# KiCad board issue21482.kicad_pcb (continued)
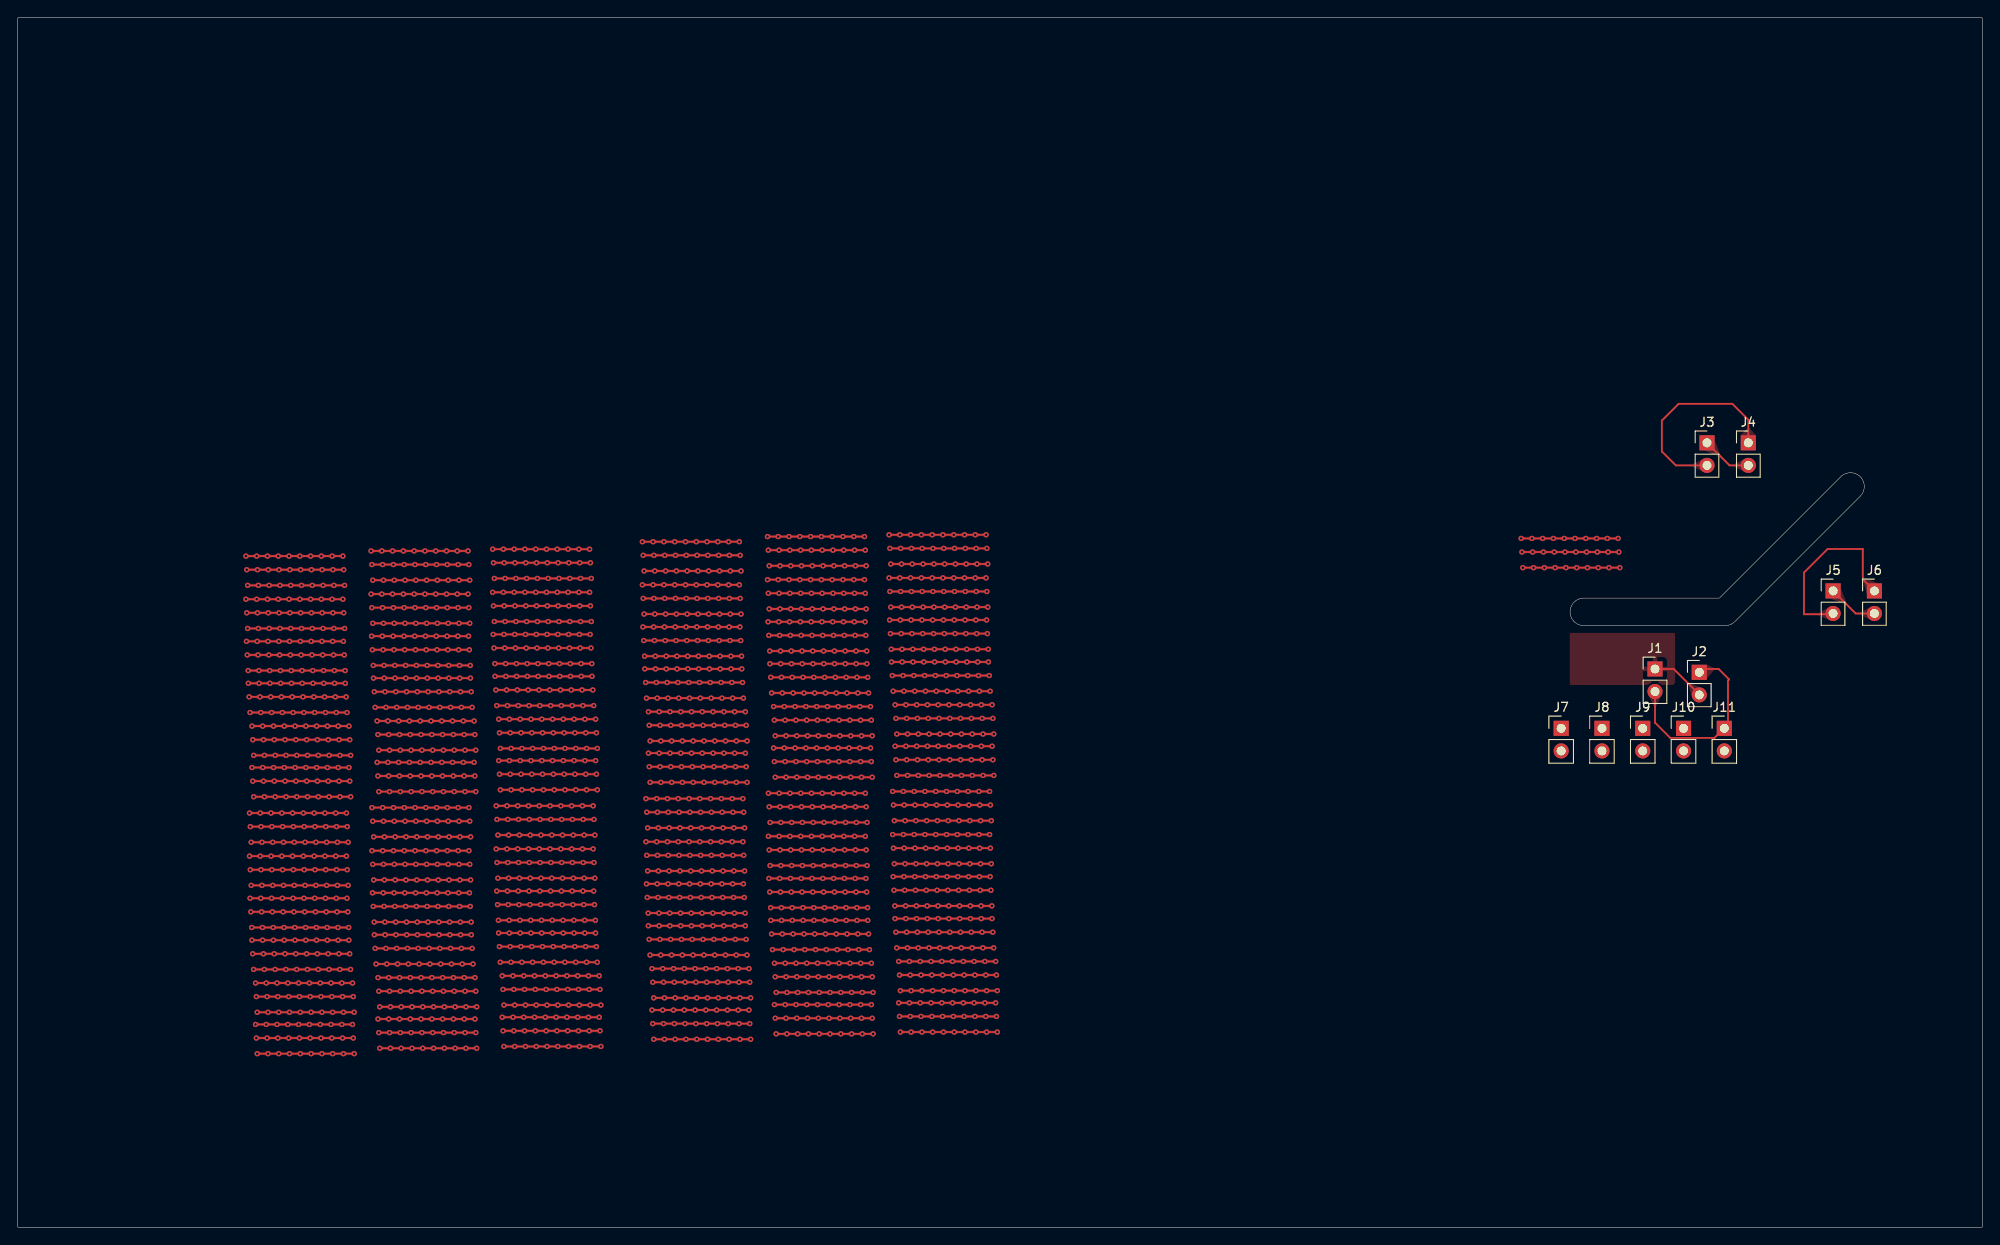
[diagram p0: board, top side]
## Routing (per net, layer and track width the routed paths; a pad name or vN(x,y) marks a point on that pad's centre or on a via; arc(x,y) is an arc through that point) (continued)
v1(101.64,23.72) v1(100.42,23.72) v1(99.21,23.72) ; v1(84.55,69.58) v1(85.76,69.58) v1(86.98,69.58) v1(88.19,69.58) v1(89.4,69.58) v1(90.62,69.58) v1(91.83,69.58) v1(93.04,69.58) v1(94.26,69.58) v1(95.47,69.58) ; v1(70.93,35.35) v1(72.14,35.35) v1(73.36,35.35) v1(74.57,35.35) v1(75.78,35.35) v1(77,35.35) v1(78.21,35.35) v1(79.42,35.35) v1(80.64,35.35) v1(81.85,35.35) ; v1(51.54,49.02) v1(50.33,49.02) v1(49.11,49.02) v1(47.9,49.02) v1(46.69,49.02) v1(45.47,49.02) v1(44.26,49.02) v1(43.05,49.02) v1(41.83,49.02) v1(40.62,49.02) ; v1(98.63,45.75) v1(99.84,45.75) v1(101.06,45.75) v1(102.27,45.75) v1(103.48,45.75) v1(104.7,45.75) v1(105.91,45.75) v1(107.12,45.75) v1(108.34,45.75) v1(109.55,45.75) ; v1(36.59,75.52) v1(35.38,75.52) v1(34.16,75.52) v1(32.95,75.52) v1(31.74,75.52) v1(30.52,75.52) v1(29.31,75.52) v1(28.1,75.52) v1(26.88,75.52) v1(25.67,75.52) ; v1(110.13,28.38) v1(108.92,28.38) v1(107.7,28.38) v1(106.49,28.38) v1(105.28,28.38) v1(104.06,28.38) v1(102.85,28.38) v1(101.64,28.38) v1(100.42,28.38) v1(99.21,28.38) ; v1(53.62,68.16) v1(54.83,68.16) v1(56.05,68.16) v1(57.26,68.16) v1(58.47,68.16) v1(59.69,68.16) v1(60.9,68.16) v1(62.11,68.16) v1(63.33,68.16) v1(64.54,68.16) ; v1(84.92,31.24) v1(86.13,31.24) v1(87.35,31.24) v1(88.56,31.24) v1(89.77,31.24) v1(90.99,31.24) v1(92.2,31.24) v1(93.41,31.24) v1(94.63,31.24) v1(95.84,31.24) ; v1(95.28,72.87) v1(94.07,72.87) v1(92.85,72.87) v1(91.64,72.87) v1(90.43,72.87) v1(89.21,72.87) v1(88,72.87) v1(86.79,72.87) v1(85.57,72.87) v1(84.36,72.87) ; v1(95.47,74.43) v1(94.26,74.43) v1(93.04,74.43) v1(91.83,74.43) v1(90.62,74.43) v1(89.4,74.43) v1(88.19,74.43) v1(86.98,74.43) v1(85.76,74.43) v1(84.55,74.43) ; v1(70.43,66.02) v1(71.64,66.02) v1(72.86,66.02) v1(74.07,66.02) v1(75.28,66.02) v1(76.5,66.02) v1(77.71,66.02) v1(78.92,66.02) v1(80.14,66.02) v1(81.35,66.02) ; v1(109.36,49.04) v1(108.15,49.04) v1(106.93,49.04) v1(105.72,49.04) v1(104.51,49.04) v1(103.29,49.04) v1(102.08,49.04) v1(100.87,49.04) v1(99.65,49.04) v1(98.44,49.04) ; v1(26.13,37.02) v1(27.34,37.02) v1(28.56,37.02) v1(29.77,37.02) v1(30.98,37.02) v1(32.2,37.02) v1(33.41,37.02) v1(34.62,37.02) v1(35.84,37.02) v1(37.05,37.02) ; v1(81.79,40.09) v1(80.58,40.09) v1(79.36,40.09) v1(78.15,40.09) v1(76.94,40.09) v1(75.72,40.09) v1(74.51,40.09) v1(73.3,40.09) v1(72.08,40.09) v1(70.87,40.09) ; v1(26.75,22.82) v1(27.96,22.82) v1(29.18,22.82) v1(30.39,22.82) v1(31.6,22.82) v1(32.82,22.82) v1(34.03,22.82) v1(35.24,22.82) v1(36.46,22.82) v1(37.67,22.82) ; v1(84.61,64.84) v1(85.82,64.84) v1(87.04,64.84) v1(88.25,64.84) v1(89.46,64.84) v1(90.68,64.84) v1(91.89,64.84) v1(93.1,64.84) v1(94.32,64.84) v1(95.53,64.84) ; v1(64.75,47.42) v1(63.54,47.42) v1(62.32,47.42) v1(61.11,47.42) v1(59.9,47.42) v1(58.68,47.42) v1(57.47,47.42) v1(56.26,47.42) v1(55.04,47.42) v1(53.83,47.42) ; v1(40.31,29.62) v1(41.52,29.62) v1(42.74,29.62) v1(43.95,29.62) v1(45.16,29.62) v1(46.38,29.62) v1(47.59,29.62) v1(48.8,29.62) v1(50.02,29.62) v1(51.23,29.62) ; v1(54.11,52.51) v1(55.32,52.51) v1(56.54,52.51) v1(57.75,52.51) v1(58.96,52.51) v1(60.18,52.51) v1(61.39,52.51) v1(62.6,52.51) v1(63.82,52.51) v1(65.03,52.51) ; v1(84.46,48.84) v1(85.67,48.84) v1(86.89,48.84) v1(88.1,48.84) v1(89.31,48.84) v1(90.53,48.84) v1(91.74,48.84) v1(92.95,48.84) v1(94.17,48.84) v1(95.38,48.84) ; v1(109.45,47.51) v1(108.24,47.51) v1(107.02,47.51) v1(105.81,47.51) v1(104.6,47.51) v1(103.38,47.51) v1(102.17,47.51) v1(100.96,47.51) v1(99.74,47.51) v1(98.53,47.51) ; v1(36.74,64.4) v1(35.53,64.4) v1(34.31,64.4) v1(33.1,64.4) v1(31.89,64.4) v1(30.67,64.4) v1(29.46,64.4) v1(28.25,64.4) v1(27.03,64.4) v1(25.82,64.4) ; v1(109.05,76.39) v1(107.84,76.39) v1(106.62,76.39) v1(105.41,76.39) v1(104.2,76.39) v1(102.98,76.39) v1(101.77,76.39) v1(100.56,76.39) v1(99.34,76.39) v1(98.13,76.39) ; v1(82.37,22.91) v1(81.16,22.91) v1(79.94,22.91) v1(78.73,22.91) v1(77.52,22.91) v1(76.3,22.91) v1(75.09,22.91) v1(73.88,22.91) v1(72.66,22.91) v1(71.45,22.91) ; v1(54.3,49.22) v1(55.51,49.22) v1(56.73,49.22) v1(57.94,49.22) v1(59.15,49.22) v1(60.37,49.22) v1(61.58,49.22) v1(62.79,49.22) v1(64.01,49.22) v1(65.22,49.22) ; v1(50.77,47.22) v1(49.56,47.22) v1(48.34,47.22) v1(47.13,47.22) v1(45.92,47.22) v1(44.7,47.22) v1(43.49,47.22) v1(42.28,47.22) v1(41.06,47.22) v1(39.85,47.22) ; v1(51.45,28.09) v1(50.24,28.09) v1(49.02,28.09) v1(47.81,28.09) v1(46.6,28.09) v1(45.38,28.09) v1(44.17,28.09) v1(42.96,28.09) v1(41.74,28.09) v1(40.53,28.09) ; v1(71.04,32.39) v1(72.25,32.39) v1(73.47,32.39) v1(74.68,32.39) v1(75.89,32.39) v1(77.11,32.39) v1(78.32,32.39) v1(79.53,32.39) v1(80.75,32.39) v1(81.96,32.39) ; v1(36.99,41.76) v1(35.78,41.76) v1(34.56,41.76) v1(33.35,41.76) v1(32.14,41.76) v1(30.92,41.76) v1(29.71,41.76) v1(28.5,41.76) v1(27.28,41.76) v1(26.07,41.76) ; v1(81.97,56.48) v1(80.76,56.48) v1(79.54,56.48) v1(78.33,56.48) v1(77.12,56.48) v1(75.9,56.48) v1(74.69,56.48) v1(73.48,56.48) v1(72.26,56.48) v1(71.05,56.48) ; v1(50.67,71.25) v1(49.46,71.25) v1(48.24,71.25) v1(47.03,71.25) v1(45.82,71.25) v1(44.6,71.25) v1(43.39,71.25) v1(42.18,71.25) v1(40.96,71.25) v1(39.75,71.25) ; v1(70.53,64.26) v1(71.74,64.26) v1(72.96,64.26) v1(74.17,64.26) v1(75.38,64.26) v1(76.6,64.26) v1(77.81,64.26) v1(79.02,64.26) v1(80.24,64.26) v1(81.45,64.26) ; v1(95.64,61.88) v1(94.43,61.88) v1(93.21,61.88) v1(92,61.88) v1(90.79,61.88) v1(89.57,61.88) v1(88.36,61.88) v1(87.15,61.88) v1(85.93,61.88) v1(84.72,61.88) ; v1(96.15,28.18) v1(94.94,28.18) v1(93.72,28.18) v1(92.51,28.18) v1(91.3,28.18) v1(90.08,28.18) v1(88.87,28.18) v1(87.66,28.18) v1(86.44,28.18) v1(85.23,28.18) ; v1(54.02,44.13) v1(55.23,44.13) v1(56.45,44.13) v1(57.66,44.13) v1(58.87,44.13) v1(60.09,44.13) v1(61.3,44.13) v1(62.51,44.13) v1(63.73,44.13) v1(64.94,44.13) ; v1(95.55,63.41) v1(94.34,63.41) v1(93.12,63.41) v1(91.91,63.41) v1(90.7,63.41) v1(89.48,63.41) v1(88.27,63.41) v1(87.06,63.41) v1(85.84,63.41) v1(84.63,63.41) ; v1(50.86,72.81) v1(49.65,72.81) v1(48.43,72.81) v1(47.22,72.81) v1(46.01,72.81) v1(44.79,72.81) v1(43.58,72.81) v1(42.37,72.81) v1(41.15,72.81) v1(39.94,72.81) ; v1(84.45,71.34) v1(85.66,71.34) v1(86.88,71.34) v1(88.09,71.34) v1(89.3,71.34) v1(90.52,71.34) v1(91.73,71.34) v1(92.94,71.34) v1(94.16,71.34) v1(95.37,71.34) ; v1(98.81,57.26) v1(100.02,57.26) v1(101.24,57.26) v1(102.45,57.26) v1(103.66,57.26) v1(104.88,57.26) v1(106.09,57.26) v1(107.3,57.26) v1(108.52,57.26) v1(109.73,57.26) ; v1(50.73,66.51) v1(49.52,66.51) v1(48.3,66.51) v1(47.09,66.51) v1(45.88,66.51) v1(44.66,66.51) v1(43.45,66.51) v1(42.24,66.51) v1(41.02,66.51) v1(39.81,66.51) ; v1(36.68,73.99) v1(35.47,73.99) v1(34.25,73.99) v1(33.04,73.99) v1(31.83,73.99) v1(30.61,73.99) v1(29.4,73.99) v1(28.19,73.99) v1(26.97,73.99) v1(25.76,73.99) ; v1(95.38,43.99) v1(94.17,43.99) v1(92.95,43.99) v1(91.74,43.99) v1(90.53,43.99) v1(89.31,43.99) v1(88.1,43.99) v1(86.89,43.99) v1(85.67,43.99) v1(84.46,43.99) ; v1(39.94,45.69) v1(41.15,45.69) v1(42.37,45.69) v1(43.58,45.69) v1(44.79,45.69) v1(46.01,45.69) v1(47.22,45.69) v1(48.43,45.69) v1(49.65,45.69) v1(50.86,45.69) ; v1(71.14,30.63) v1(72.35,30.63) v1(73.57,30.63) v1(74.78,30.63) v1(75.99,30.63) v1(77.21,30.63) v1(78.42,30.63) v1(79.63,30.63) v1(80.85,30.63) v1(82.06,30.63) ; v1(84.71,35.96) v1(85.92,35.96) v1(87.14,35.96) v1(88.35,35.96) v1(89.56,35.96) v1(90.78,35.96) v1(91.99,35.96) v1(93.2,35.96) v1(94.42,35.96) v1(95.63,35.96) ; v1(180.17,75.98) v1(178.96,75.98) v1(177.74,75.98) v1(176.53,75.98) v1(175.32,75.98) v1(174.1,75.98) v1(172.89,75.98) v1(171.68,75.98) v1(170.46,75.98) v1(169.25,75.98) ; v1(54.7,20.34) v1(55.91,20.34) v1(57.13,20.34) v1(58.34,20.34) v1(59.55,20.34) v1(60.77,20.34) v1(61.98,20.34) v1(63.19,20.34) v1(64.41,20.34) v1(65.62,20.34) ; v1(169.16,77.51) v1(170.37,77.51) v1(171.59,77.51) v1(172.8,77.51) v1(174.01,77.51) v1(175.23,77.51) v1(176.44,77.51) v1(177.65,77.51) v1(178.87,77.51) v1(180.08,77.51) ; v1(65.21,29.82) v1(64,29.82) v1(62.78,29.82) v1(61.57,29.82) v1(60.36,29.82) v1(59.14,29.82) v1(57.93,29.82) v1(56.72,29.82) v1(55.5,29.82) v1(54.29,29.82) ; v1(53.68,63.42) v1(54.89,63.42) v1(56.11,63.42) v1(57.32,63.42) v1(58.53,63.42) v1(59.75,63.42) v1(60.96,63.42) v1(62.17,63.42) v1(63.39,63.42) v1(64.6,63.42) ; v1(85.33,26.42) v1(86.54,26.42) v1(87.76,26.42) v1(88.97,26.42) v1(90.18,26.42) v1(91.4,26.42) v1(92.61,26.42) v1(93.82,26.42) v1(95.04,26.42) v1(96.25,26.42) ; v1(70.96,53.35) v1(72.17,53.35) v1(73.39,53.35) v1(74.6,53.35) v1(75.81,53.35) v1(77.03,53.35) v1(78.24,53.35) v1(79.45,53.35) v1(80.67,53.35) v1(81.88,53.35) ; v1(99.31,26.62) v1(100.52,26.62) v1(101.74,26.62) v1(102.95,26.62) v1(104.16,26.62) v1(105.38,26.62) v1(106.59,26.62) v1(107.8,26.62) v1(109.02,26.62) v1(110.23,26.62) ; v1(65.52,22.1) v1(64.31,22.1) v1(63.09,22.1) v1(61.88,22.1) v1(60.67,22.1) v1(59.45,22.1) v1(58.24,22.1) v1(57.03,22.1) v1(55.81,22.1) v1(54.6,22.1) ; v1(98.81,52.6) v1(100.02,52.6) v1(101.24,52.6) v1(102.45,52.6) v1(103.66,52.6) v1(104.88,52.6) v1(106.09,52.6) v1(107.3,52.6) v1(108.52,52.6) v1(109.73,52.6) ; v1(51.54,26.56) v1(50.33,26.56) v1(49.11,26.56) v1(47.9,26.56) v1(46.69,26.56) v1(45.47,26.56) v1(44.26,26.56) v1(43.05,26.56) v1(41.83,26.56) v1(40.62,26.56) ; v1(39.91,37.63) v1(41.12,37.63) v1(42.34,37.63) v1(43.55,37.63) v1(44.76,37.63) v1(45.98,37.63) v1(47.19,37.63) v1(48.4,37.63) v1(49.62,37.63) v1(50.83,37.63) ; v1(84.65,45.55) v1(85.86,45.55) v1(87.08,45.55) v1(88.29,45.55) v1(89.5,45.55) v1(90.72,45.55) v1(91.93,45.55) v1(93.14,45.55) v1(94.36,45.55) v1(95.57,45.55) ; v1(40.21,58.5) v1(41.42,58.5) v1(42.64,58.5) v1(43.85,58.5) v1(45.06,58.5) v1(46.28,58.5) v1(47.49,58.5) v1(48.7,58.5) v1(49.92,58.5) v1(51.13,58.5) ; v1(36.78,67.38) v1(35.57,67.38) v1(34.35,67.38) v1(33.14,67.38) v1(31.93,67.38) v1(30.71,67.38) v1(29.5,67.38) v1(28.29,67.38) v1(27.07,67.38) v1(25.86,67.38) ; v1(37.08,45.08) v1(35.87,45.08) v1(34.65,45.08) v1(33.44,45.08) v1(32.23,45.08) v1(31.01,45.08) v1(29.8,45.08) v1(28.59,45.08) v1(27.37,45.08) v1(26.16,45.08) ; v1(64.41,66.71) v1(63.2,66.71) v1(61.98,66.71) v1(60.77,66.71) v1(59.56,66.71) v1(58.34,66.71) v1(57.13,66.71) v1(55.92,66.71) v1(54.7,66.71) v1(53.49,66.71) ; v1(81.69,46.7) v1(80.48,46.7) v1(79.26,46.7) v1(78.05,46.7) v1(76.84,46.7) v1(75.62,46.7) v1(74.41,46.7) v1(73.2,46.7) v1(71.98,46.7) v1(70.77,46.7) ; v1(65.12,55.64) v1(63.91,55.64) v1(62.69,55.64) v1(61.48,55.64) v1(60.27,55.64) v1(59.05,55.64) v1(57.84,55.64) v1(56.63,55.64) v1(55.41,55.64) v1(54.2,55.64) ; v1(39.9,64.98) v1(41.11,64.98) v1(42.33,64.98) v1(43.54,64.98) v1(44.75,64.98) v1(45.97,64.98) v1(47.18,64.98) v1(48.39,64.98) v1(49.61,64.98) v1(50.82,64.98) ; v1(70.74,38.64) v1(71.95,38.64) v1(73.17,38.64) v1(74.38,38.64) v1(75.59,38.64) v1(76.81,38.64) v1(78.02,38.64) v1(79.23,38.64) v1(80.45,38.64) v1(81.66,38.64) ; v1(70.37,75.61) v1(71.58,75.61) v1(72.8,75.61) v1(74.01,75.61) v1(75.22,75.61) v1(76.44,75.61) v1(77.65,75.61) v1(78.86,75.61) v1(80.08,75.61) v1(81.29,75.61) ; v1(40.11,60.26) v1(41.32,60.26) v1(42.54,60.26) v1(43.75,60.26) v1(44.96,60.26) v1(46.18,60.26) v1(47.39,60.26) v1(48.6,60.26) v1(49.82,60.26) v1(51.03,60.26) ; v1(25.76,69.14) v1(26.97,69.14) v1(28.19,69.14) v1(29.4,69.14) v1(30.61,69.14) v1(31.83,69.14) v1(33.04,69.14) v1(34.25,69.14) v1(35.47,69.14) v1(36.68,69.14) ; v1(180.27,74.22) v1(179.06,74.22) v1(177.84,74.22) v1(176.63,74.22) v1(175.42,74.22) v1(174.2,74.22) v1(172.99,74.22) v1(171.78,74.22) v1(170.56,74.22) v1(169.35,74.22) ; v1(96.15,50.64) v1(94.94,50.64) v1(93.72,50.64) v1(92.51,50.64) v1(91.3,50.64) v1(90.08,50.64) v1(88.87,50.64) v1(87.66,50.64) v1(86.44,50.64) v1(85.23,50.64) ; v1(95.47,42.46) v1(94.26,42.46) v1(93.04,42.46) v1(91.83,42.46) v1(90.62,42.46) v1(89.4,42.46) v1(88.19,42.46) v1(86.98,42.46) v1(85.76,42.46) v1(84.55,42.46) ; v1(64.84,45.89) v1(63.63,45.89) v1(62.41,45.89) v1(61.2,45.89) v1(59.99,45.89) v1(58.77,45.89) v1(57.56,45.89) v1(56.35,45.89) v1(55.13,45.89) v1(53.92,45.89) ; v1(109.15,69.78) v1(107.94,69.78) v1(106.72,69.78) v1(105.51,69.78) v1(104.3,69.78) v1(103.08,69.78) v1(101.87,69.78) v1(100.66,69.78) v1(99.44,69.78) v1(98.23,69.78) ; v1(84.45,76.19) v1(85.66,76.19) v1(86.88,76.19) v1(88.09,76.19) v1(89.3,76.19) v1(90.52,76.19) v1(91.73,76.19) v1(92.94,76.19) v1(94.16,76.19) v1(95.37,76.19) ; v1(82.07,54.72) v1(80.86,54.72) v1(79.64,54.72) v1(78.43,54.72) v1(77.22,54.72) v1(76,54.72) v1(74.79,54.72) v1(73.58,54.72) v1(72.36,54.72) v1(71.15,54.72) ; v1(82.28,29.1) v1(81.07,29.1) v1(79.85,29.1) v1(78.64,29.1) v1(77.43,29.1) v1(76.21,29.1) v1(75,29.1) v1(73.79,29.1) v1(72.57,29.1) v1(71.36,29.1) ; v1(40.62,53.68) v1(41.83,53.68) v1(43.05,53.68) v1(44.26,53.68) v1(45.47,53.68) v1(46.69,53.68) v1(47.9,53.68) v1(49.11,53.68) v1(50.33,53.68) v1(51.54,53.68) ; v1(40.72,20.14) v1(41.93,20.14) v1(43.15,20.14) v1(44.36,20.14) v1(45.57,20.14) v1(46.79,20.14) v1(48,20.14) v1(49.21,20.14) v1(50.43,20.14) v1(51.64,20.14) ; v1(98.1,68.33) v1(99.31,68.33) v1(100.53,68.33) v1(101.74,68.33) v1(102.95,68.33) v1(104.17,68.33) v1(105.38,68.33) v1(106.59,68.33) v1(107.81,68.33) v1(109.02,68.33) ; v1(65.43,23.63) v1(64.22,23.63) v1(63,23.63) v1(61.79,23.63) v1(60.58,23.63) v1(59.36,23.63) v1(58.15,23.63) v1(56.94,23.63) v1(55.72,23.63) v1(54.51,23.63) ; v1(70.55,62.83) v1(71.76,62.83) v1(72.98,62.83) v1(74.19,62.83) v1(75.4,62.83) v1(76.62,62.83) v1(77.83,62.83) v1(79.04,62.83) v1(80.26,62.83) v1(81.47,62.83) ; v1(26.43,30.77) v1(27.64,30.77) v1(28.86,30.77) v1(30.07,30.77) v1(31.28,30.77) v1(32.5,30.77) v1(33.71,30.77) v1(34.92,30.77) v1(36.14,30.77) v1(37.35,30.77) ; v1(53.58,65.18) v1(54.79,65.18) v1(56.01,65.18) v1(57.22,65.18) v1(58.43,65.18) v1(59.65,65.18) v1(60.86,65.18) v1(62.07,65.18) v1(63.29,65.18) v1(64.5,65.18) ; v1(26.44,54.86) v1(27.65,54.86) v1(28.87,54.86) v1(30.08,54.86) v1(31.29,54.86) v1(32.51,54.86) v1(33.72,54.86) v1(34.93,54.86) v1(36.15,54.86) v1(37.36,54.86) ; v1(98.59,37.92) v1(99.8,37.92) v1(101.02,37.92) v1(102.23,37.92) v1(103.44,37.92) v1(104.66,37.92) v1(105.87,37.92) v1(107.08,37.92) v1(108.3,37.92) v1(109.51,37.92) ; v1(51.35,52.31) v1(50.14,52.31) v1(48.92,52.31) v1(47.71,52.31) v1(46.5,52.31) v1(45.28,52.31) v1(44.07,52.31) v1(42.86,52.31) v1(41.64,52.31) v1(40.43,52.31) ; v1(98.5,60.32) v1(99.71,60.32) v1(100.93,60.32) v1(102.14,60.32) v1(103.35,60.32) v1(104.57,60.32) v1(105.78,60.32) v1(106.99,60.32) v1(108.21,60.32) v1(109.42,60.32) ; v1(37.27,51.73) v1(36.06,51.73) v1(34.84,51.73) v1(33.63,51.73) v1(32.42,51.73) v1(31.2,51.73) v1(29.99,51.73) v1(28.78,51.73) v1(27.56,51.73) v1(26.35,51.73) ; v1(26.75,27.48) v1(27.96,27.48) v1(29.18,27.48) v1(30.39,27.48) v1(31.6,27.48) v1(32.82,27.48) v1(34.03,27.48) v1(35.24,27.48) v1(36.46,27.48) v1(37.67,27.48) ; v1(96.15,55.3) v1(94.94,55.3) v1(93.72,55.3) v1(92.51,55.3) v1(91.3,55.3) v1(90.08,55.3) v1(88.87,55.3) v1(87.66,55.3) v1(86.44,55.3) v1(85.23,55.3) ; v1(40.04,43.93) v1(41.25,43.93) v1(42.47,43.93) v1(43.68,43.93) v1(44.89,43.93) v1(46.11,43.93) v1(47.32,43.93) v1(48.53,43.93) v1(49.75,43.93) v1(50.96,43.93) ; v1(85.04,58.59) v1(86.25,58.59) v1(87.47,58.59) v1(88.68,58.59) v1(89.89,58.59) v1(91.11,58.59) v1(92.32,58.59) v1(93.53,58.59) v1(94.75,58.59) v1(95.96,58.59) ; v1(25.92,62.64) v1(27.13,62.64) v1(28.35,62.64) v1(29.56,62.64) v1(30.77,62.64) v1(31.99,62.64) v1(33.2,62.64) v1(34.41,62.64) v1(35.63,62.64) v1(36.84,62.64)
Net-(J1-Pin_1): length 5.7
  Top w0.2: J1.1 186.34,62.82 188.88,60.28
Net-(J1-Pin_2): length 22.3
  Top w0.2: J1.2 184.23,56.78 185.95,55.06 190.91,55.06 192.44,56.59 192.44,61.51 192.57,61.64 191.39,62.82 188.88,62.82
Net-(J3-Pin_1): length 5.7
  Top w0.2: J4.2 192.62,85.73 J3.1
Net-(J3-Pin_2): length 23
  Top w0.2: J3.2 186.57,85.73 185,87.3 185,90.77 186.89,92.66 192.93,92.66 194.73,90.86 J4.1
Net-(J5-Pin_1): length 5.7
  Top w0.2: J5.1 206.81,69.07 J6.2
Net-(J5-Pin_2): length 21
  Top w0.2: J5.2 204.19,68.98 200.99,68.98 200.99,73.66 203.65,76.32 207.61,76.32 207.61,72.92 J6.1

## Copper pours and planes (outline as drawn; the poured copper is in the pictures)
Net-(J1-Pin_1) on Top: 174.64,66.88 186.43,66.88 186.49,66.82 186.49,61.26 186.25,61.02 174.64,61.02

Small or netless copper shapes (teardrops, artwork), in the pictures only: 3953 on Top

## Text on the board
User.Comments: Elemements outside if the creepage range / The creepage distance is virtually instantly done if these vias/tracks are removed. | Set creepage distance
